# Allegro board 1151864-PCIE3_0_X16-166-20240802_20240815_2000_pcb.brd (continued)
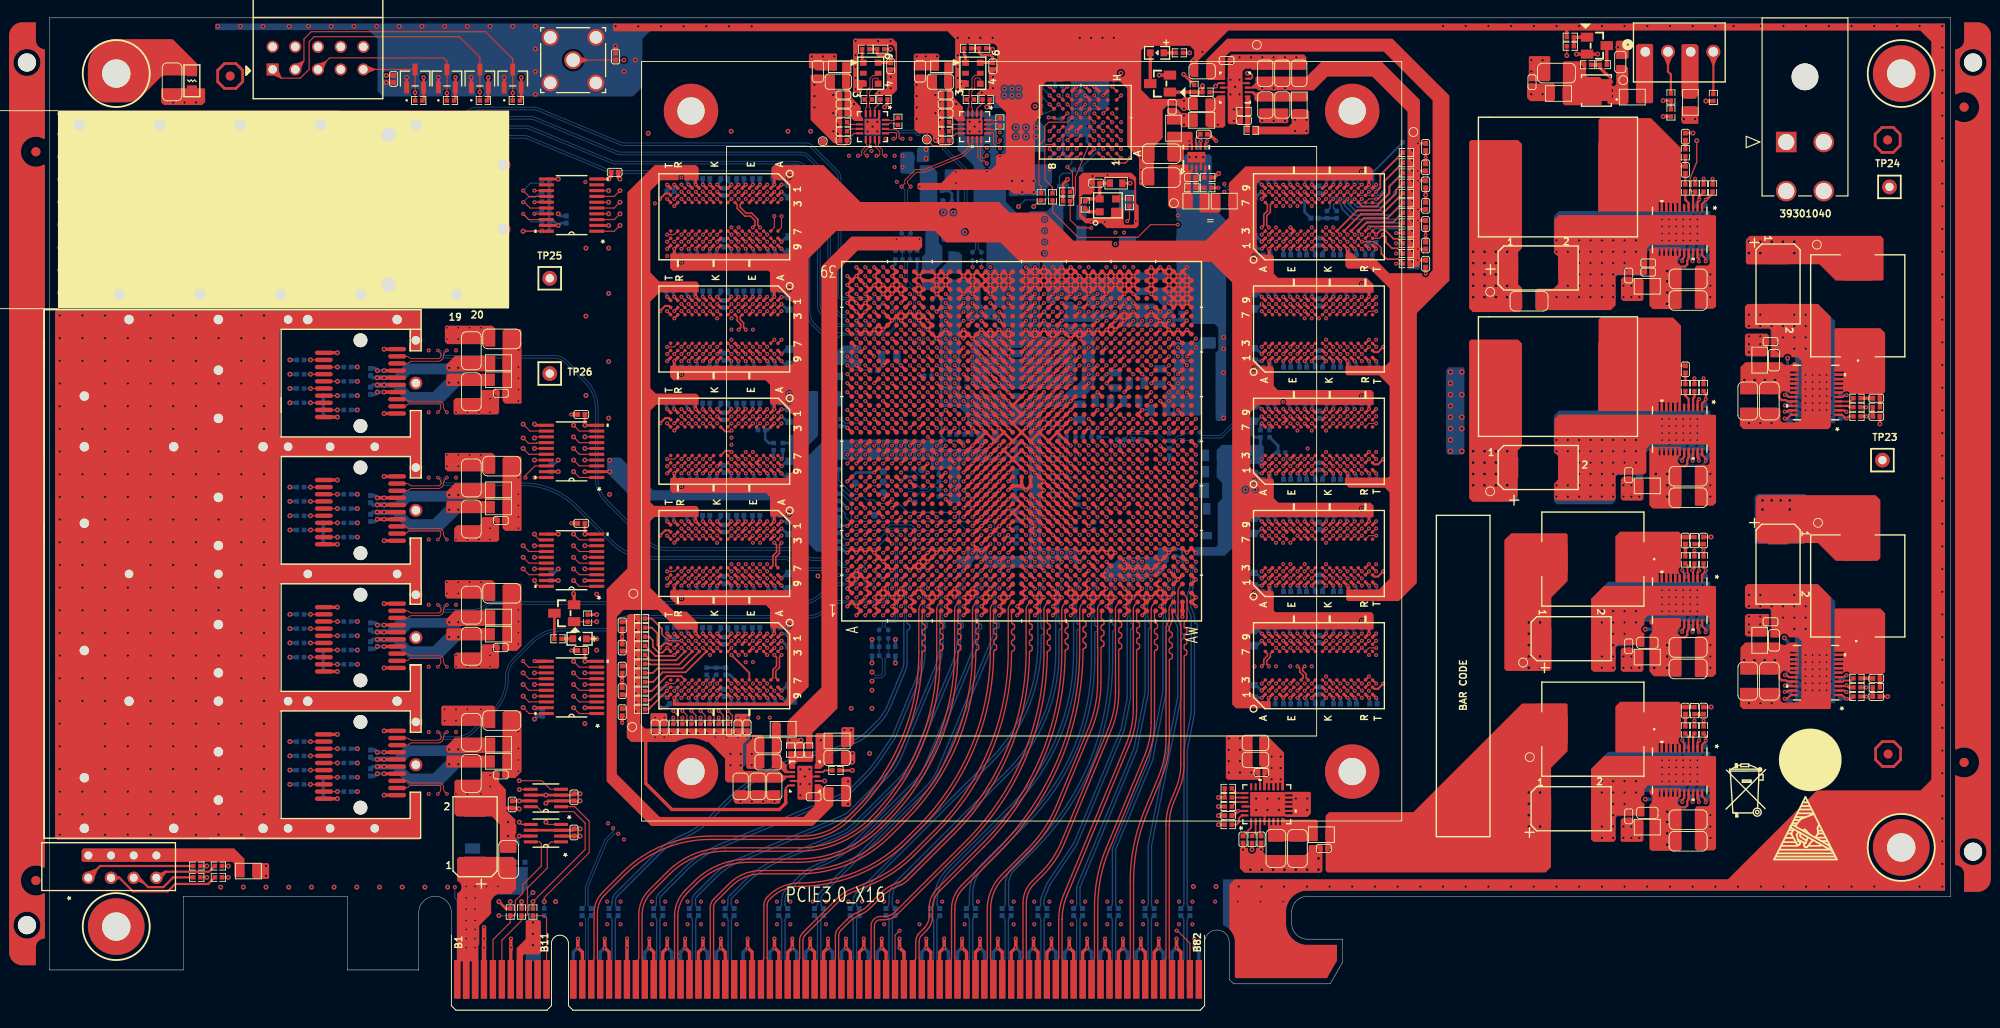
[diagram p0: board, top side]
## Routing (per net, layer and track width the routed paths; a pad name or vN(x,y) marks a point on that pad's centre or on a via; arc(x,y) is an arc through that point) (continued)
FPGA_DDR4_1_DQ41: length 26.8
  TOP w0.127: U6.B8 v1(81.15,48.36) ; U1.F18 v1(94.32,61.23)
  ART03 w0.137: v1(94.32,61.23) 94.32,60.59 93.47,59.74 93.08,59.74 92.82,59.49 92.82,59.11 92.44,58.72 91.94,58.72 91.81,58.59 91.81,58.09 91.43,57.71 89.94,57.71 89.81,57.85 89.81,58.13 89.67,58.27 89.39,58.27 89.26,58.13 89.26,57.85 89.12,57.71 88.85,57.71 88.71,57.85 88.71,58.13 88.57,58.27 88.3,58.27 88.16,58.13 88.16,57.85 88.02,57.71 87.72,57.71 87.49,57.48 87.49,51.1 85.19,48.81 85.19,48.62 85.27,48.54 85.27,48.35 85.07,48.16 84.88,48.16 84.81,48.23 84.61,48.23 84.34,47.96 81.75,47.96 81.35,48.36 v1(81.15,48.36)
FPGA_DDR4_1_DQ42: length 29.8
  TOP w0.127: U1.F20 v1(94.32,63.23) ; U6.C3 v1(80.35,53.16)
  ART03 w0.137: v1(94.32,63.23) 94.02,63.23 93.58,62.79 93.08,62.79 92.57,62.28 92.19,62.28 91.68,61.77 88.91,61.77 84.69,57.56 84.69,57.29 84.83,57.15 85.34,57.15 85.48,57.02 85.48,56.74 85.34,56.61 84.83,56.61 84.69,56.47 84.69,56.19 84.83,56.06 85.34,56.06 85.48,55.92 85.48,55.65 85.34,55.51 84.83,55.51 84.69,55.37 84.69,55.1 84.83,54.96 85.34,54.96 85.48,54.82 85.48,54.55 85.34,54.41 84.83,54.41 84.69,54.27 84.69,51.82 83.22,50.34 81.62,50.34 80.35,51.62 v1(80.35,53.16)
FPGA_DDR4_1_DQ43: length 29.4
  TOP w0.127: U1.F19 v1(94.32,62.23) ; U6.C7 v1(80.35,49.16)
  ART03 w0.137: v1(80.35,49.16) 80.68,48.82 82.28,48.82 82.54,48.56 83.48,48.56 83.71,48.8 83.91,48.8 84.15,48.57 84.34,48.57 84.53,48.76 84.53,48.95 84.3,49.19 84.3,49.39 84.49,49.58 84.68,49.58 84.92,49.34 85.12,49.34 85.31,49.54 85.31,49.73 85.07,49.97 85.07,50.16 85.27,50.36 85.46,50.36 85.64,50.18 85.83,50.18 86.02,50.38 86.02,50.57 85.85,50.74 85.85,50.94 86.04,51.13 86.69,51.13 86.83,51.27 86.83,51.54 86.69,51.68 86.18,51.68 86.04,51.82 86.04,52.14 86.18,52.28 86.82,52.28 86.95,52.42 86.95,57.71 87.97,58.72 91.55,58.72 91.81,58.98 91.81,59.49 92.06,59.74 92.58,59.74 93.84,61 93.84,61.52 94.32,62 v1(94.32,62.23)
FPGA_DDR4_1_DQ44: length 29
  TOP w0.127: U6.C2 v1(80.35,53.96) ; U1.D21 v1(92.32,65.23)
  ART03 w0.137: v1(80.35,53.96) 79.95,54.36 79.95,57.2 82.59,59.84 82.59,60.86 83.3,61.58 83.3,61.77 82.67,62.4 82.67,62.6 82.87,62.79 83.06,62.79 83.69,62.16 83.89,62.16 84.08,62.35 84.08,62.55 83.45,63.18 83.45,63.37 83.64,63.57 83.84,63.57 84.47,62.93 84.66,62.93 84.86,63.13 84.86,63.32 84.22,63.95 84.22,64.15 84.42,64.34 84.61,64.34 85.24,63.71 85.44,63.71 85.63,63.9 85.63,64.1 85,64.73 85,64.92 85.19,65.12 85.39,65.12 86.02,64.49 86.21,64.49 86.5,64.77 91.86,64.77 v1(92.32,65.23)
FPGA_DDR4_1_DQ45: length 28.8
  TOP w0.127: U6.C8 v1(80.35,48.36) ; U1.G19 v1(95.32,62.23)
  ART03 w0.137: v1(80.35,48.36) 80.75,47.96 81.34,47.96 81.55,47.75 81.55,47.27 81.77,47.04 85.33,47.04 86.91,48.62 86.91,48.98 87.12,49.19 87.32,49.19 87.48,49.19 88.07,49.78 88.07,56.01 88.79,56.73 91.98,56.73 92.19,56.93 92.19,57.13 92.11,57.2 92.11,57.39 92.31,57.59 92.5,57.59 92.58,57.51 92.77,57.51 93.84,58.58 93.84,59.49 94.85,60.5 94.85,61.23 94.95,61.53 v1(95.32,62.23)
FPGA_DDR4_1_DQ46: length 28.7
  TOP w0.127: U1.G20 v1(95.32,63.23) ; U6.D3 v1(79.55,53.16)
  ART03 w0.137: v1(95.32,63.23) 94.76,62.85 94.42,62.71 94.26,62.71 94.11,62.65 93.95,62.49 93.77,62.06 93.57,61.86 93.36,61.77 92.53,61.77 92.07,61.58 91.85,61.35 91.7,61.01 91.5,60.81 88.61,60.81 85.99,58.19 85.99,54.04 85.85,53.9 85.29,53.9 85.15,53.77 85.15,51.56 83.42,49.83 81.24,49.83 80,51.08 80,52.7 v1(79.55,53.16)
FPGA_DDR4_1_DQ47: length 26.7
  TOP w0.127: U6.D7 v1(79.55,49.16) ; U1.E18 v1(93.32,61.23)
  ART03 w0.137: v1(79.55,49.16) 79.95,49.56 80.76,49.56 81.11,49.2 83.48,49.2 85.6,51.32 85.6,52.92 86.47,53.8 86.47,58.01 87.98,59.52 88.18,59.52 88.48,59.22 88.67,59.22 88.85,59.4 88.85,59.62 88.56,59.91 88.56,60.11 88.78,60.33 89.93,60.33 90.07,60.19 90.07,59.37 90.21,59.23 90.45,59.23 90.62,59.4 90.62,60.19 90.75,60.33 91.76,60.33 92.19,60.76 92.85,60.76 v1(93.32,61.23)
FPGA_DDR4_1_DQ48: length 44.6
  TOP w0.127: U7.G2 v1(77.15,41.38) ; U1.G21 v1(95.32,65.23)
  ART12 w0.137: v1(95.32,65.23) 94.93,65.23 94.5,64.8 89.01,64.8 88.61,65.2 86.62,65.2 85.94,64.52 85.75,64.52 85.2,65.06 85.01,65.06 84.81,64.87 84.81,64.67 85.36,64.13 85.36,63.93 85.16,63.74 84.97,63.74 84.43,64.28 84.23,64.28 84.04,64.09 84.04,63.89 84.58,63.35 84.58,63.16 84.39,62.96 84.19,62.96 83.65,63.51 83.46,63.51 83.26,63.31 83.26,63.12 83.81,62.58 83.81,62.38 83.32,61.9 83.32,46.03 80.01,42.71 77.84,42.71 77.55,42.42 77.55,41.78 v1(77.15,41.38)
FPGA_DDR4_1_DQ49: length 45.4
  TOP w0.127: U1.H18 v1(96.32,61.23) ; U7.F7 v1(77.95,36.58)
  ART12 w0.137: v1(77.95,36.58) 78.35,36.18 82.54,36.18 86.02,39.66 86.02,41.64 86.1,41.83 86.28,41.91 87.26,41.5 87.44,41.57 87.55,41.83 87.47,42.01 86.49,42.42 86.41,42.59 86.52,42.85 86.7,42.92 87.25,42.69 87.43,42.77 87.53,43.02 87.46,43.2 86.91,43.43 86.83,43.61 86.97,43.95 87.15,44.03 87.29,43.97 87.47,44.04 87.58,44.3 87.5,44.48 87.36,44.53 87.29,44.71 87.56,45.38 87.56,56.78 87.99,57.2 87.99,57.4 87.76,57.63 87.76,57.83 87.95,58.02 88.15,58.02 88.38,57.79 88.57,57.79 88.77,57.98 88.77,58.17 88.53,58.41 88.53,58.6 88.73,58.8 88.92,58.8 89.16,58.56 89.35,58.56 89.99,59.2 91.29,59.74 95.55,59.74 96.32,60.51 v1(96.32,61.23)
FPGA_DDR4_1_DQ50: length 44.4
  TOP w0.127: U1.J20 v1(97.32,63.23) ; U7.H3 v1(76.35,40.58)
  ART12 w0.137: v1(76.35,40.58) 76.3,40.54 75.93,39.98 75.93,39.57 76.98,38.87 78.72,38.15 82.61,38.15 84.39,39.93 84.39,42.38 85.46,44.95 85.46,57.96 89.24,61.75 90.43,61.75 90.84,62.15 90.84,62.41 91.1,62.66 96.75,62.66 v1(97.32,63.23)
FPGA_DDR4_1_DQ51: length 43.9
  TOP w0.127: U1.J18 v1(97.32,61.23) ; U7.H7 v1(76.35,36.58)
  ART12 w0.137: v1(76.35,36.58) 76.74,36.18 77.36,36.18 77.55,35.99 77.55,35.62 77.78,35.38 82.41,35.38 87.08,40.06 87.2,40.23 87.16,40.42 86.94,40.57 86.91,40.76 87.06,40.99 87.25,41.03 87.47,40.88 87.66,40.92 88.02,41.46 88.02,56.62 90.13,58.72 95.5,58.72 95.78,59 95.78,59.39 97.32,60.92 v1(97.32,61.23)
FPGA_DDR4_1_DQ52: length 44.7
  TOP w0.127: U7.H2 v1(76.35,41.38) ; U1.G22 v1(95.32,66.23)
  ART12 w0.137: v1(95.32,66.23) 94.8,65.71 84.97,65.71 82.51,63.25 82.51,59.41 82.28,59.18 82.28,55.3 82.69,54.89 82.69,47.24 82.21,46.77 82.21,46.57 82.46,46.32 82.46,46.13 82.27,45.94 82.08,45.94 81.82,46.19 81.63,46.19 81.44,45.99 81.44,45.8 81.69,45.55 81.69,45.35 81.49,45.16 81.3,45.16 81.05,45.41 80.85,45.41 80.66,45.22 80.66,45.02 80.91,44.77 80.91,44.58 80.72,44.38 80.52,44.38 80.27,44.63 80.08,44.63 79.88,44.44 79.88,44.25 80.13,44 80.13,43.8 79.94,43.61 79.75,43.61 79.5,43.86 79.3,43.86 78.69,43.25 77.17,43.25 76.75,42.83 76.75,41.76 76.37,41.38 v1(76.35,41.38)
FPGA_DDR4_1_DQ53: length 44.1
  TOP w0.127: U7.H8 v1(76.35,35.78) ; U1.K18 v1(98.32,62.23)
  ART12 w0.137: v1(98.32,62.23) 97.96,61.69 97.8,61.31 97.8,60.6 96.85,59.17 95.44,57.76 92.34,57.76 90.87,57.15 90.6,56.88 90.11,56.68 89.81,56.39 89.81,55.63 88.56,54.37 88.56,41.57 88.36,41.09 87.61,39.97 82.32,34.68 82.04,34.57 77.87,34.57 77.72,34.63 77.6,34.75 77.55,34.89 77.55,35.16 77.39,35.32 77.24,35.38 77.03,35.38 76.8,35.48 v1(76.35,35.78)
FPGA_DDR4_1_DQ54: length 45.1
  TOP w0.127: U7.J3 v1(74.75,40.58) ; U1.H19 v1(96.32,62.23)
  ART12 w0.137: v1(96.32,62.23) 96,62.23 95.54,61.77 91.2,61.77 90.76,61.34 90.76,61.09 90.38,60.71 88.09,59.75 86.07,57.73 86.07,49.63 86.6,49.09 86.6,46.26 84.85,42.03 84.85,39.73 82.76,37.64 76.01,37.64 74.75,38.9 v1(74.75,40.58)
FPGA_DDR4_1_DQ55: length 44.4
  TOP w0.127: U7.J7 v1(74.75,36.58) ; U1.J19 v1(97.32,62.23)
  ART12 w0.137: v1(74.75,36.58) 74.75,37 74.88,37.13 75.19,37.13 75.33,37 75.33,36.94 75.47,36.8 75.74,36.8 75.88,36.94 75.88,37.07 76.02,37.21 82.93,37.21 85.43,39.71 85.43,41.82 87.08,45.8 87.08,57.99 88.42,59.33 91.87,60.76 95.62,60.76 95.87,61.01 95.87,61.39 96.25,61.77 96.89,61.77 97.32,62.21 v1(97.32,62.23)
FPGA_DDR4_1_DQ56: length 49.1
  TOP w0.127: U1.M22 v1(100.32,66.23) ; U7.A3 v1(81.95,40.58)
  ART10 w0.137: v1(100.32,66.23) 100.18,66.23 99.68,66.73 96.76,66.73 95.74,65.71 89.01,65.71 82.28,58.98 82.28,55.3 82.41,55.17 82.41,47.35 82.15,47.09 80.07,47.09 79.67,46.69 79.67,46.23 79.8,46.09 80.34,46.09 80.48,45.95 80.48,45.68 80.34,45.54 79.8,45.54 79.67,45.4 79.67,45.13 79.8,44.99 80.34,44.99 80.48,44.85 80.48,44.58 80.34,44.44 79.8,44.44 79.67,44.3 79.67,44.03 79.8,43.89 80.34,43.89 80.48,43.76 80.48,43.48 80.34,43.34 79.8,43.34 79.67,43.21 79.67,42.75 79.95,42.47 79.95,42 80.16,41.78 81.32,41.78 81.55,41.55 81.55,40.98 v1(81.95,40.58)
FPGA_DDR4_1_DQ57: length 47.2
  TOP w0.127: U1.N19 v1(101.32,62.23) ; U7.B8 v1(81.15,35.78)
  ART10 w0.137: v1(101.32,62.23) 101.32,61.89 100.82,61.39 100.82,59.97 100.59,59.74 100.19,59.74 99.81,59.36 99.81,59.11 98.42,57.72 98.08,57.72 96.09,55.73 89.89,55.73 89.75,55.59 89.75,54.9 89.61,54.76 89.34,54.76 89.2,54.9 89.2,55.59 89.07,55.73 88.82,55.73 88.64,55.55 88.64,54.91 88.51,54.78 88.06,54.78 87.92,54.64 87.92,54.36 88.06,54.23 88.51,54.23 88.64,54.09 88.64,53.74 88.51,53.6 88.31,53.6 88.17,53.47 88.17,53.19 88.31,53.06 88.51,53.06 88.64,52.92 88.64,38.54 85.48,35.38 81.55,35.38 v1(81.15,35.78)
FPGA_DDR4_1_DQ58: length 49.3
  TOP w0.201: U1.M21 v1(101.32,65.23) ; U7.C3 v1(80.35,39.78)
  ART10 w0.137: v1(101.32,65.23) 101.32,65.06 99.92,63.66 98.9,63.66 98.66,63.42 97.89,63.42 97.74,63.27 97.74,62.94 97.46,62.66 89.14,62.66 84.59,58.12 84.59,46.25 84.97,45.87 84.97,45.32 84.84,45.19 84.4,45.19 84.24,45.02 84.24,44.77 84.37,44.64 84.84,44.64 84.97,44.5 84.97,44.23 84.84,44.09 84.4,44.09 84.24,43.93 84.24,43.68 84.37,43.54 84.84,43.54 84.97,43.4 84.97,43.13 84.84,42.99 84.4,42.99 84.24,42.83 84.24,42.58 84.37,42.44 84.84,42.44 84.97,42.31 84.97,42.03 84.84,41.89 84.4,41.89 84.24,41.73 84.24,41.48 84.37,41.35 84.84,41.35 84.97,41.21 84.97,40.72 83.12,38.86 80.94,38.86 80.35,39.45 v1(80.35,39.78)
FPGA_DDR4_1_DQ59: length 47.3
  TOP w0.127: U7.C7 v1(80.35,36.58) ; U1.M19 v1(100.32,62.23)
  ART10 w0.137: v1(100.32,62.23) 99.81,61.72 99.81,61.01 99.55,60.76 99.17,60.76 98.79,60.38 98.79,60.07 98.49,59.77 98.07,59.77 97.05,58.75 89.55,58.75 89.43,58.63 89.23,58.63 89.02,58.84 88.83,58.84 88.63,58.65 88.63,58.46 88.84,58.24 88.84,58.05 88.65,57.86 88.46,57.86 88.12,58.19 87.92,58.19 87.73,58 87.73,57.81 88.07,57.47 88.07,57.27 87.87,57.08 87.68,57.08 87.34,57.42 87.15,57.42 86.95,57.22 86.95,57.03 87.29,56.69 87.29,56.5 86.9,56.11 86.9,50.83 87.49,50.24 87.49,39.02 86.2,37.73 86.01,37.73 85.8,37.94 85.6,37.94 85.41,37.75 85.41,37.55 85.62,37.35 85.62,37.15 85.19,36.73 80.49,36.73 v1(80.35,36.58)
FPGA_DDR4_1_DQ60: length 46.7
  TOP w0.127: U1.L20 v1(99.32,63.23)
  TOP w0.201: U7.C2 v1(80.35,40.58)
  ART10 w0.137: v1(99.32,63.23) 99.11,63.02 98.49,63.02 97.85,62.38 97.85,62.1 97.52,61.77 88.89,61.77 85.02,57.91 85.02,46.58 85.43,46.17 85.43,45.37 85.57,45.24 85.73,45.24 85.86,45.1 85.86,44.82 85.73,44.69 85.57,44.69 85.43,44.55 85.43,44.28 85.57,44.14 85.73,44.14 85.86,44 85.86,43.73 85.73,43.59 85.57,43.59 85.43,43.45 85.43,43.18 85.57,43.04 85.73,43.04 85.86,42.9 85.86,42.63 85.73,42.49 85.57,42.49 85.43,42.36 85.43,42.08 85.57,41.94 85.73,41.94 85.86,41.81 85.86,41.53 85.73,41.4 85.57,41.4 85.43,41.26 85.43,40.41 83.37,38.35 80.78,38.35 80.71,38.42 80.52,38.42 80.38,38.29 80.19,38.29 80,38.48 80,38.68 80.13,38.81 80.13,39.01 79.87,39.27 79.87,39.93 80.35,40.41 v1(80.35,40.58)
FPGA_DDR4_1_DQ61: length 46.3
  TOP w0.127: U1.M20 v1(101.32,63.23) ; U7.C8 v1(80.35,35.78)
  ART10 w0.137: v1(101.32,63.23) 100.82,62.73 100.82,62.08 100.21,61.47 100.21,60.78 99.81,60.38 99.81,60.12 99.16,59.47 99.16,59.17 98.23,58.24 96.57,58.24 95.1,56.77 88.28,56.77 87.39,55.88 87.39,53.16 87.95,52.6 87.95,52.08 87.81,51.94 87.57,51.94 87.44,51.81 87.44,51.53 87.57,51.39 87.81,51.39 87.95,51.26 87.95,38.72 85.45,36.22 80.78,36.22 v1(80.35,35.78)
FPGA_DDR4_1_DQ62: length 45.7
  TOP w0.127: U7.D3 v1(79.55,40.58) ; U1.L19 v1(100.32,63.23)
  ART10 w0.137: v1(100.32,63.23) 99.49,62.81 99.18,62.68 98.83,62.33 98.83,62.13 98.56,61.86 98.35,61.77 98.13,61.77 97.8,61.44 97.8,61.12 97.49,60.81 91.04,60.81 88.1,60.22 86.06,58.18 85.46,56.73 85.46,47.52 86.35,45.37 86.35,41.44 85.8,40.12 83.58,37.9 79.92,37.9 79.55,38.27 v1(79.55,40.58)
FPGA_DDR4_1_DQ63: length 45.2
  TOP w0.127: U1.L18 v1(99.32,61.23) ; U7.D7 v1(79.55,36.58)
  ART10 w0.137: v1(79.55,36.58) 80.2,37.24 84.24,37.24 84.63,37.62 84.63,37.82 84.5,37.94 84.5,38.14 84.7,38.33 84.89,38.33 85.01,38.21 85.21,38.21 85.4,38.4 85.4,38.73 85.65,38.98 85.98,38.98 86.9,39.9 86.9,49.89 86.42,50.37 86.42,53.35 86.28,53.49 86.05,53.49 85.91,53.63 85.91,53.9 86.05,54.04 86.28,54.04 86.42,54.18 86.42,54.45 86.28,54.59 86.05,54.59 85.91,54.73 85.91,55 86.05,55.14 86.28,55.14 86.42,55.27 86.42,55.55 86.28,55.69 86.05,55.69 85.91,55.82 85.91,56.1 86.05,56.23 86.28,56.23 86.42,56.37 86.42,57.66 88.56,59.79 97.17,59.79 98.12,60.74 98.52,60.74 99.01,61.23 v1(99.32,61.23)
FPGA_DDR4_1_DQ64: length 25
  TOP w0.127: U8.G2 v1(77.15,66.53) ; U1.D31 v1(92.32,75.23)
  ART10 w0.137: v1(77.15,66.53) 77.38,66.53 77.78,66.93 77.78,66.93 78.17,66.93 78.35,67.11 78.35,68.87 78.48,69.01 78.83,69.01 78.97,68.87 78.97,68.39 79.11,68.25 79.38,68.25 79.52,68.39 79.52,68.87 79.66,69.01 81.6,69.01 81.8,69.22 81.8,70.71 85.18,74.09 85.65,74.09 85.78,74.23 85.78,74.34 85.92,74.47 86.2,74.47 86.33,74.34 86.33,74.23 86.47,74.09 86.74,74.09 86.88,74.23 86.88,74.34 87.02,74.47 87.29,74.47 87.43,74.34 87.43,74.23 87.57,74.09 87.84,74.09 87.98,74.23 87.98,74.34 88.12,74.47 88.39,74.47 88.53,74.34 88.53,74.23 88.66,74.09 89.14,74.09 89.52,73.71 90.54,73.71 90.82,74 90.82,74.35 91.2,74.73 91.82,74.73 v1(92.32,75.23)
FPGA_DDR4_1_DQ65: length 25.7
  TOP w0.127: U1.D28 v1(92.32,72.23) ; U8.F7 v1(77.95,61.73)
  ART10 w0.137: v1(77.95,61.73) 77.95,61.49 78.1,61.33 82.37,61.33 86.15,65.11 86.15,66.85 86.42,67.12 86.61,67.12 86.98,66.75 87.18,66.75 87.37,66.94 87.37,67.13 87,67.51 87,67.7 87.2,67.89 87.39,67.89 87.76,67.52 87.96,67.52 88.15,67.72 88.15,67.91 87.78,68.28 87.78,68.48 87.97,68.67 88.17,68.67 88.49,68.35 88.68,68.35 88.87,68.54 88.87,68.74 88.56,69.06 88.56,69.25 89.03,69.73 90.44,69.73 90.82,70.11 90.82,70.36 91.19,70.73 91.44,70.73 91.81,71.09 91.81,71.55 92.32,72.07 v1(92.32,72.23)
FPGA_DDR4_1_DQ66: length 23.3
  TOP w0.127: U1.C31 v1(91.32,75.23) ; U8.H3 v1(76.35,65.73)
  ART10 w0.137: v1(91.32,75.23) 90.82,74.73 89.14,74.73 88.89,74.98 85.46,74.98 80.94,70.47 80.94,70.27 81.33,69.88 81.33,69.69 81.14,69.5 80.95,69.5 80.56,69.89 80.36,69.89 79.97,69.49 77.89,69.49 77.55,69.15 77.55,67.1 77.37,66.93 76.95,66.93 76.75,66.73 76.75,66.33 76.46,66.04 76.46,66.04 76.35,65.93 v1(76.35,65.73)
FPGA_DDR4_1_DQ67: length 25.9
  TOP w0.127: U8.H7 v1(76.35,61.73) ; U1.C28 v1(91.32,72.23)
  ART10 w0.137: v1(76.35,61.73) 77.56,62.94 82.51,62.94 84.84,65.28 84.84,67.99 85.11,68.26 85.31,68.26 85.56,68.01 85.75,68.01 85.95,68.21 85.95,68.4 85.7,68.65 85.7,68.85 85.89,69.04 86.09,69.04 86.34,68.79 86.53,68.79 86.72,68.98 86.72,69.18 86.47,69.43 86.47,69.62 86.67,69.82 86.86,69.82 87.11,69.57 87.31,69.57 87.5,69.76 87.5,69.95 87.25,70.2 87.25,70.4 87.44,70.59 87.64,70.59 87.89,70.34 88.08,70.34 88.28,70.54 88.28,70.73 88.03,70.98 88.03,71.17 88.26,71.41 88.87,71.41 89.14,71.68 90.54,71.68 91.09,72.23 v1(91.32,72.23)
FPGA_DDR4_1_DQ68: length 23.8
  TOP w0.127: U1.B31 v1(90.32,75.23) ; U8.H2 v1(76.35,66.53)
  ART10 w0.137: v1(90.32,75.23) 89.5,75.23 89.22,75.51 85.33,75.51 79.84,70.03 79.29,70.03 79.15,70.16 79.15,70.81 79.02,70.94 78.74,70.94 78.6,70.81 78.6,70.16 78.47,70.03 78.19,70.03 78.05,70.16 78.05,70.81 77.92,70.94 77.64,70.94 77.51,70.81 77.51,70.16 77.37,70.03 77.02,70.03 76.75,69.75 76.75,67.16 76.35,66.76 v1(76.35,66.53)
FPGA_DDR4_1_DQ69: length 25.4
  TOP w0.127: U8.H8 v1(76.35,60.93) ; U1.D30 v1(92.32,74.23)
  ART10 w0.137: v1(92.32,74.23) 92.75,73.43 92.75,72.16 92.47,71.48 91.99,70.59 91.79,70.1 91.5,69.82 91.19,69.69 90.87,69.37 90.73,69.03 90.51,68.81 90.04,68.61 89.01,67.59 88.81,67.11 82.33,60.63 82.09,60.53 77.07,60.53 76.74,60.66 v1(76.35,60.93)
FPGA_DDR4_1_DQ70: length 23.9
  TOP w0.127: U1.A29 v1(89.32,73.23)
  TOP w0.201: v1(76.35,64.93) 76.24,64.82 75.65,64.82 U8.J3
  ART10 w0.137: v1(76.35,64.93) 76.75,65.33 76.75,65.92 76.95,66.13 78.91,66.13 79.14,66.36 79.14,67.66 79.28,67.79 79.92,67.79 80.05,67.93 80.05,68.42 80.19,68.55 80.47,68.55 80.6,68.42 80.6,67.93 80.74,67.79 81.01,67.79 81.15,67.93 81.15,68.42 81.29,68.55 81.56,68.55 81.7,68.42 81.7,67.93 81.84,67.79 82.12,67.79 82.26,67.93 82.26,70.51 85.33,73.58 88.97,73.58 v1(89.32,73.23)
FPGA_DDR4_1_DQ71: length 23.9
  TOP w0.127: U1.A28 v1(89.32,72.23)
  TOP w0.201: v1(76.35,62.53) 76.21,62.66 75.68,62.66 U8.J7
  ART10 w0.137: v1(89.32,72.23) 89.18,72.09 88.94,72.09 88.71,71.86 88.02,71.86 84.43,68.26 84.43,65.52 82.74,63.83 82.57,63.83 82.44,63.69 82.44,63.54 82.3,63.4 82.02,63.4 81.89,63.54 81.89,63.69 81.75,63.83 81.48,63.83 81.34,63.69 81.34,63.54 81.2,63.4 80.93,63.4 80.79,63.54 80.79,63.69 80.65,63.83 80.38,63.83 80.24,63.69 80.24,63.54 80.1,63.4 79.83,63.4 79.69,63.54 79.69,63.69 79.56,63.83 79.28,63.83 79.14,63.69 79.14,63.54 79.01,63.4 78.73,63.4 78.6,63.54 78.6,63.69 78.46,63.83 78.18,63.83 78.05,63.69 78.05,63.54 77.91,63.4 77.64,63.4 77.5,63.54 77.5,63.69 77.36,63.83 77,63.83 76.8,63.63 76.8,62.98 v1(76.35,62.53)
FPGA_DDR4_1_LDM1_N: length 20
  TOP w0.127: U4.E7 v1(78.75,74.3) ; U1.A23 v1(89.32,67.23)
  ART05 w0.137: v1(89.32,67.23) 89.06,67.49 86.65,67.49 86.28,67.86 86.09,67.86 85.82,67.59 85.63,67.59 85.44,67.79 85.44,67.98 85.7,68.25 85.7,68.44 85.5,68.63 85.31,68.63 85.05,68.37 84.85,68.37 84.66,68.56 84.66,68.76 84.92,69.02 84.92,69.22 84.73,69.41 84.53,69.41 84.27,69.15 84.08,69.15 83.88,69.34 83.88,69.53 84.15,69.8 84.15,69.99 83.95,70.19 83.76,70.19 83.49,69.92 83.3,69.92 83.11,70.12 83.11,70.31 83.37,70.57 83.37,70.77 83.15,70.99 82.96,70.99 82.88,70.92 82.69,70.92 82.49,71.11 82.49,71.3 82.57,71.38 82.57,71.57 82.08,72.06 79.39,72.06 79.15,72.3 79.15,73.92 78.77,74.3 v1(78.75,74.3)
FPGA_DDR4_1_LDM2_N: length 38.6
  TOP w0.127: U1.H26 v1(96.32,70.23) ; U5.E7 v1(78.75,86.87)
  ART12 w0.137: v1(96.32,70.23) 96.32,70.22 95.87,69.77 88.89,69.77 87.17,71.49 86.96,71.99 87.04,72.17 87.34,72.29 87.42,72.47 87.31,72.73 87.13,72.8 86.83,72.67 86.65,72.75 86.54,73 86.62,73.18 86.92,73.31 87,73.49 86.89,73.74 86.71,73.81 86.41,73.69 86.23,73.76 86.12,74.01 86.2,74.19 86.5,74.32 86.58,74.5 86.47,74.75 86.29,74.83 85.99,74.7 85.81,74.77 85.08,76.54 85.08,82.47 83.15,87.12 81.75,88.52 80.99,88.52 80.3,89.2 78.52,89.2 78.22,88.9 78.22,87.55 78.75,87.02 v1(78.75,86.87)
FPGA_DDR4_1_LDM3_N: length 26.1
  TOP w0.127: U6.E7 v1(78.75,49.16) ; U1.B20 v1(90.32,63.23)
  ART05 w0.137: v1(90.32,63.23) 90.79,62.76 90.79,62.03 90.54,61.77 90.16,61.77 89.77,61.39 89.77,61.01 89.52,60.76 87.62,60.76 85.81,58.95 85.81,58.15 85.95,58.02 86.11,58.02 86.24,57.88 86.24,57.61 86.11,57.47 85.95,57.47 85.81,57.33 85.81,57.06 85.95,56.92 86.11,56.92 86.24,56.78 86.24,56.51 86.11,56.37 85.95,56.37 85.81,56.23 85.81,55.96 85.95,55.82 86.11,55.82 86.24,55.69 86.24,55.41 86.11,55.27 85.95,55.27 85.81,55.14 85.81,52.83 85.38,51.79 82.35,48.76 79.15,48.76 v1(78.75,49.16)
FPGA_DDR4_1_LDM4_N: length 45.1
  TOP w0.201: U1.H22 v1(96.32,65.23) ; v1(76.35,39.78) 78.35,37.78 U7.E7
  ART12 w0.137: v1(76.35,39.78) 77.48,40.92 78.06,40.92 78.35,41.2 78.35,41.56 78.57,41.78 80.5,41.78 80.51,41.78 80.74,42.02 80.75,42.03 80.75,42.48 83.78,45.52 83.78,61.24 84.33,61.79 84.33,62.04 84.59,62.3 84.84,62.3 85.11,62.57 85.11,62.82 85.37,63.08 85.62,63.08 85.88,63.34 85.88,63.6 86.14,63.86 86.4,63.86 87.26,64.72 88.56,64.72 88.81,64.47 94.94,64.47 96.14,65.1 v1(96.32,65.23)
FPGA_DDR4_1_LDM5_N: length 22.8
  TOP w0.127: U8.E7 v1(78.75,61.73)
  TOP w0.201: U1.B30 v1(91.32,74.23)
  ART10 w0.137: v1(91.32,74.23) 91.81,73.74 91.81,72.06 91.55,71.81 91.3,71.81 90.79,71.3 90.79,71.04 90.54,70.79 89.22,70.79 85.26,66.84 85.26,66.36 85.4,66.22 85.57,66.22 85.71,66.08 85.71,65.81 85.57,65.67 85.4,65.67 85.26,65.53 85.26,64.98 85.24,64.94 82.69,62.38 79.4,62.38 v1(78.75,61.73)
FPGA_DDR4_1_LDQS1_C: length 23.9
  TOP w0.127: U1.A25 v1(89.32,69.23)
  TOP w0.173: v1(77.95,76.23) 77.71,76.47 77.71,76.97 77.31,77.37 77.31,77.67 U4.F3
  ART05 w0.102: 88.94,69.56 88.97,69.56 89.03,69.63 89.57,69.63 89.72,69.47 89.72,69.33 89.62,69.23 v1(89.32,69.23)
  ART05 w0.14: v1(77.95,76.23) 77.71,76.47 77.71,76.75 77.86,76.91 79.27,76.91 79.41,76.77 79.41,76.72 79.55,76.58 79.83,76.58 79.97,76.72 79.97,76.77 80.11,76.91 80.39,76.91 80.53,76.77 80.53,76.67 80.67,76.53 80.95,76.53 81.09,76.67 81.09,76.77 81.23,76.91 82.97,76.91 83.34,76.53 83.98,74.99 84.41,74.81 85.68,75.34 85.89,75.25 86.09,74.77 86,74.56 84.73,74.04 84.55,73.61 84.74,73.16 88.33,69.56 88.94,69.56
FPGA_DDR4_1_LDQS1_T: length 24
  TOP w0.127: U1.B25 v1(90.32,69.23)
  TOP w0.173: U4.G3 76.98,77.67 76.98,77.23 77.38,76.83 77.38,76.47 v1(77.15,76.23)
  ART05 w0.102: 88.94,69.89 88.97,69.89 89.03,69.83 89.65,69.83 89.92,69.56 89.92,69.33 90.02,69.23 v1(90.32,69.23)
  ART05 w0.14: v1(77.15,76.23) 77.38,76.47 77.38,76.89 77.73,77.23 83.1,77.23 83.62,76.71 84.23,75.24 84.41,75.17 85.68,75.69 86.14,75.5 86.44,74.77 86.25,74.31 84.98,73.79 84.91,73.61 85.02,73.34 88.47,69.89 88.94,69.89
FPGA_DDR4_1_LDQS2_C: length 39.5
  TOP w0.127: U1.H24 v1(96.32,68.23)
  TOP w0.173: U5.F3 77.31,90.24 77.31,89.95 77.98,89.28 78.61,89.28 79.31,88.58 79.31,87.91 v1(79.55,87.67)
  ART12 w0.102: v1(96.32,68.23) 96.32,67.93 96.42,67.83 96.57,67.83 96.72,67.98 96.72,68.42 96.51,68.63 89.13,68.63 89.06,68.56 89.04,68.56
  ART12 w0.14: 89.04,68.56 88.62,68.56 86.33,70.85 86.07,71.48 85.88,71.56 85.86,71.55 85.68,71.63 85.57,71.89 85.65,72.07 85.67,72.08 85.75,72.26 84.06,76.33 84.06,82.36 83.16,84.53 82.44,86.27 82.06,86.65 81.86,86.65 81.62,86.41 81.42,86.41 81.22,86.61 81.22,86.81 81.46,87.05 81.46,87.25 81.21,87.51 80.6,87.51 79.85,88.25 79.45,88.25 79.31,88.11 79.31,87.91 v1(79.55,87.67)
FPGA_DDR4_1_LDQS2_T: length 39.5
  TOP w0.127: U1.H23 v1(96.32,67.23)
  TOP w0.173: v1(78.75,87.67) 78.98,87.91 78.98,88.44 78.47,88.95 77.85,88.95 76.98,89.82 76.98,90.24 U5.G3
  ART12 w0.102: 89.04,68.89 89.06,68.89 89.13,68.83 96.59,68.83 96.92,68.5 96.92,67.9 96.65,67.63 96.42,67.63 96.32,67.53 v1(96.32,67.23)
  ART12 w0.14: v1(78.75,87.67) 78.98,87.91 78.98,88.24 79.31,88.58 79.99,88.58 80.73,87.83 81.34,87.83 82.72,86.46 83.16,85.39 84.39,82.43 84.39,76.39 86.61,71.04 88.75,68.89 89.04,68.89
FPGA_DDR4_1_LDQS3_C: length 29.4
  TOP w0.127: U1.B21 v1(90.32,65.23) ; U6.F3 v1(77.95,53.16)
  ART05 w0.14: v1(77.95,53.16) 77.71,52.92 77.71,52.68 78.52,51.87 79.87,51.87 80.01,52.01 80.01,52.44 80.15,52.58 80.43,52.58 80.57,52.44 80.57,52.01 80.71,51.87 82.03,51.87 83.22,53.06 83.22,56.13 83.08,56.27 81.93,56.27 81.6,56.6 81.6,57.43 81.93,57.76 83.08,57.76 83.22,57.9 83.22,60.66 87.11,64.55 90.52,64.55 90.66,64.69 90.66,64.89 v1(90.32,65.23)
FPGA_DDR4_1_LDQS3_T: length 29.4
  TOP w0.127: U1.C21 v1(91.32,65.23) ; U6.G3 v1(77.15,53.16)
  ART05 w0.14: v1(77.15,53.16) 77.38,52.92 77.38,52.54 78.38,51.54 82.16,51.54 83.55,52.92 83.55,56.27 83.22,56.6 82.06,56.6 81.92,56.74 81.92,57.3 82.06,57.44 83.22,57.44 83.55,57.77 83.55,60.53 87.25,64.23 90.65,64.23 90.98,64.56 90.98,64.89 v1(91.32,65.23)
FPGA_DDR4_1_LDQS4_C: length 47.5
  TOP w0.127: U7.F3 v1(77.95,39.78) ; U1.K20 v1(98.32,64.23)
  ART12 w0.14: v1(77.95,39.78) 78.08,39.91 78.36,39.91 78.7,39.57 79.23,39.35 79.31,39.17 79.26,39.05 79.33,38.87 79.59,38.76 79.78,38.84 79.82,38.96 80.01,39.03 80.16,38.97 82.21,38.97 83.7,40.46 83.7,42.59 84.77,45.16 84.77,60.75 85.85,61.83 86.08,61.83 86.89,61.01 87.36,61.01 87.95,61.6 87.95,62.07 87.13,62.89 87.13,63.14 87.65,63.65 88.48,63.65 88.62,63.52 88.62,63.33 88.76,63.2 89.03,63.2 89.17,63.33 89.17,63.52 89.31,63.65 96.88,63.65 97.79,64.56 97.98,64.56 v1(98.32,64.23)
FPGA_DDR4_1_LDQS4_T: length 47.4
  TOP w0.127: U7.G3 v1(77.15,39.78) ; U1.K21 v1(98.32,65.23)
  ART12 w0.14: v1(98.32,65.23) 97.98,64.89 97.65,64.89 96.74,63.98 87.51,63.98 86.8,63.27 86.8,62.75 87.62,61.93 87.62,61.73 87.22,61.34 87.03,61.34 86.21,62.15 85.71,62.15 84.44,60.88 84.44,45.23 83.38,42.66 83.38,40.6 82.07,39.29 80.23,39.29 78.89,39.85 78.49,40.24 77.61,40.24 v1(77.15,39.78)
FPGA_DDR4_1_LDQS5_C: length 26
  TOP w0.127: U1.B29 v1(90.32,73.23) ; U8.F3 v1(77.95,65.73)
  ART10 w0.102: 88.98,72.89 89,72.89 89.07,72.83 90.57,72.83 90.72,72.98 90.72,73.13 90.62,73.23 v1(90.32,73.23)
  ART10 w0.14: 88.98,72.89 87.58,72.89 86.72,72.02 86.52,72.02 85.86,72.68 85.39,72.68 84.8,72.09 84.8,71.62 85.46,70.97 85.46,70.77 85.07,70.37 84.87,70.37 84.21,71.03 83.74,71.03 83.15,70.44 83.15,69.97 83.81,69.32 83.81,69.12 83.42,68.73 83.42,65.94 82.38,64.9 80.87,64.9 80.73,65.04 80.73,65.11 80.59,65.25 80.31,65.25 80.17,65.11 80.17,65.04 80.03,64.9 79.75,64.9 79.61,65.04 79.61,65.14 79.47,65.28 79.2,65.28 79.06,65.14 79.06,65.04 78.92,64.9 77.94,64.9 77.71,65.13 77.71,65.49 v1(77.95,65.73)
